# Altium PCB PCB2.PcbDoc (part 3 of 3) (continued)
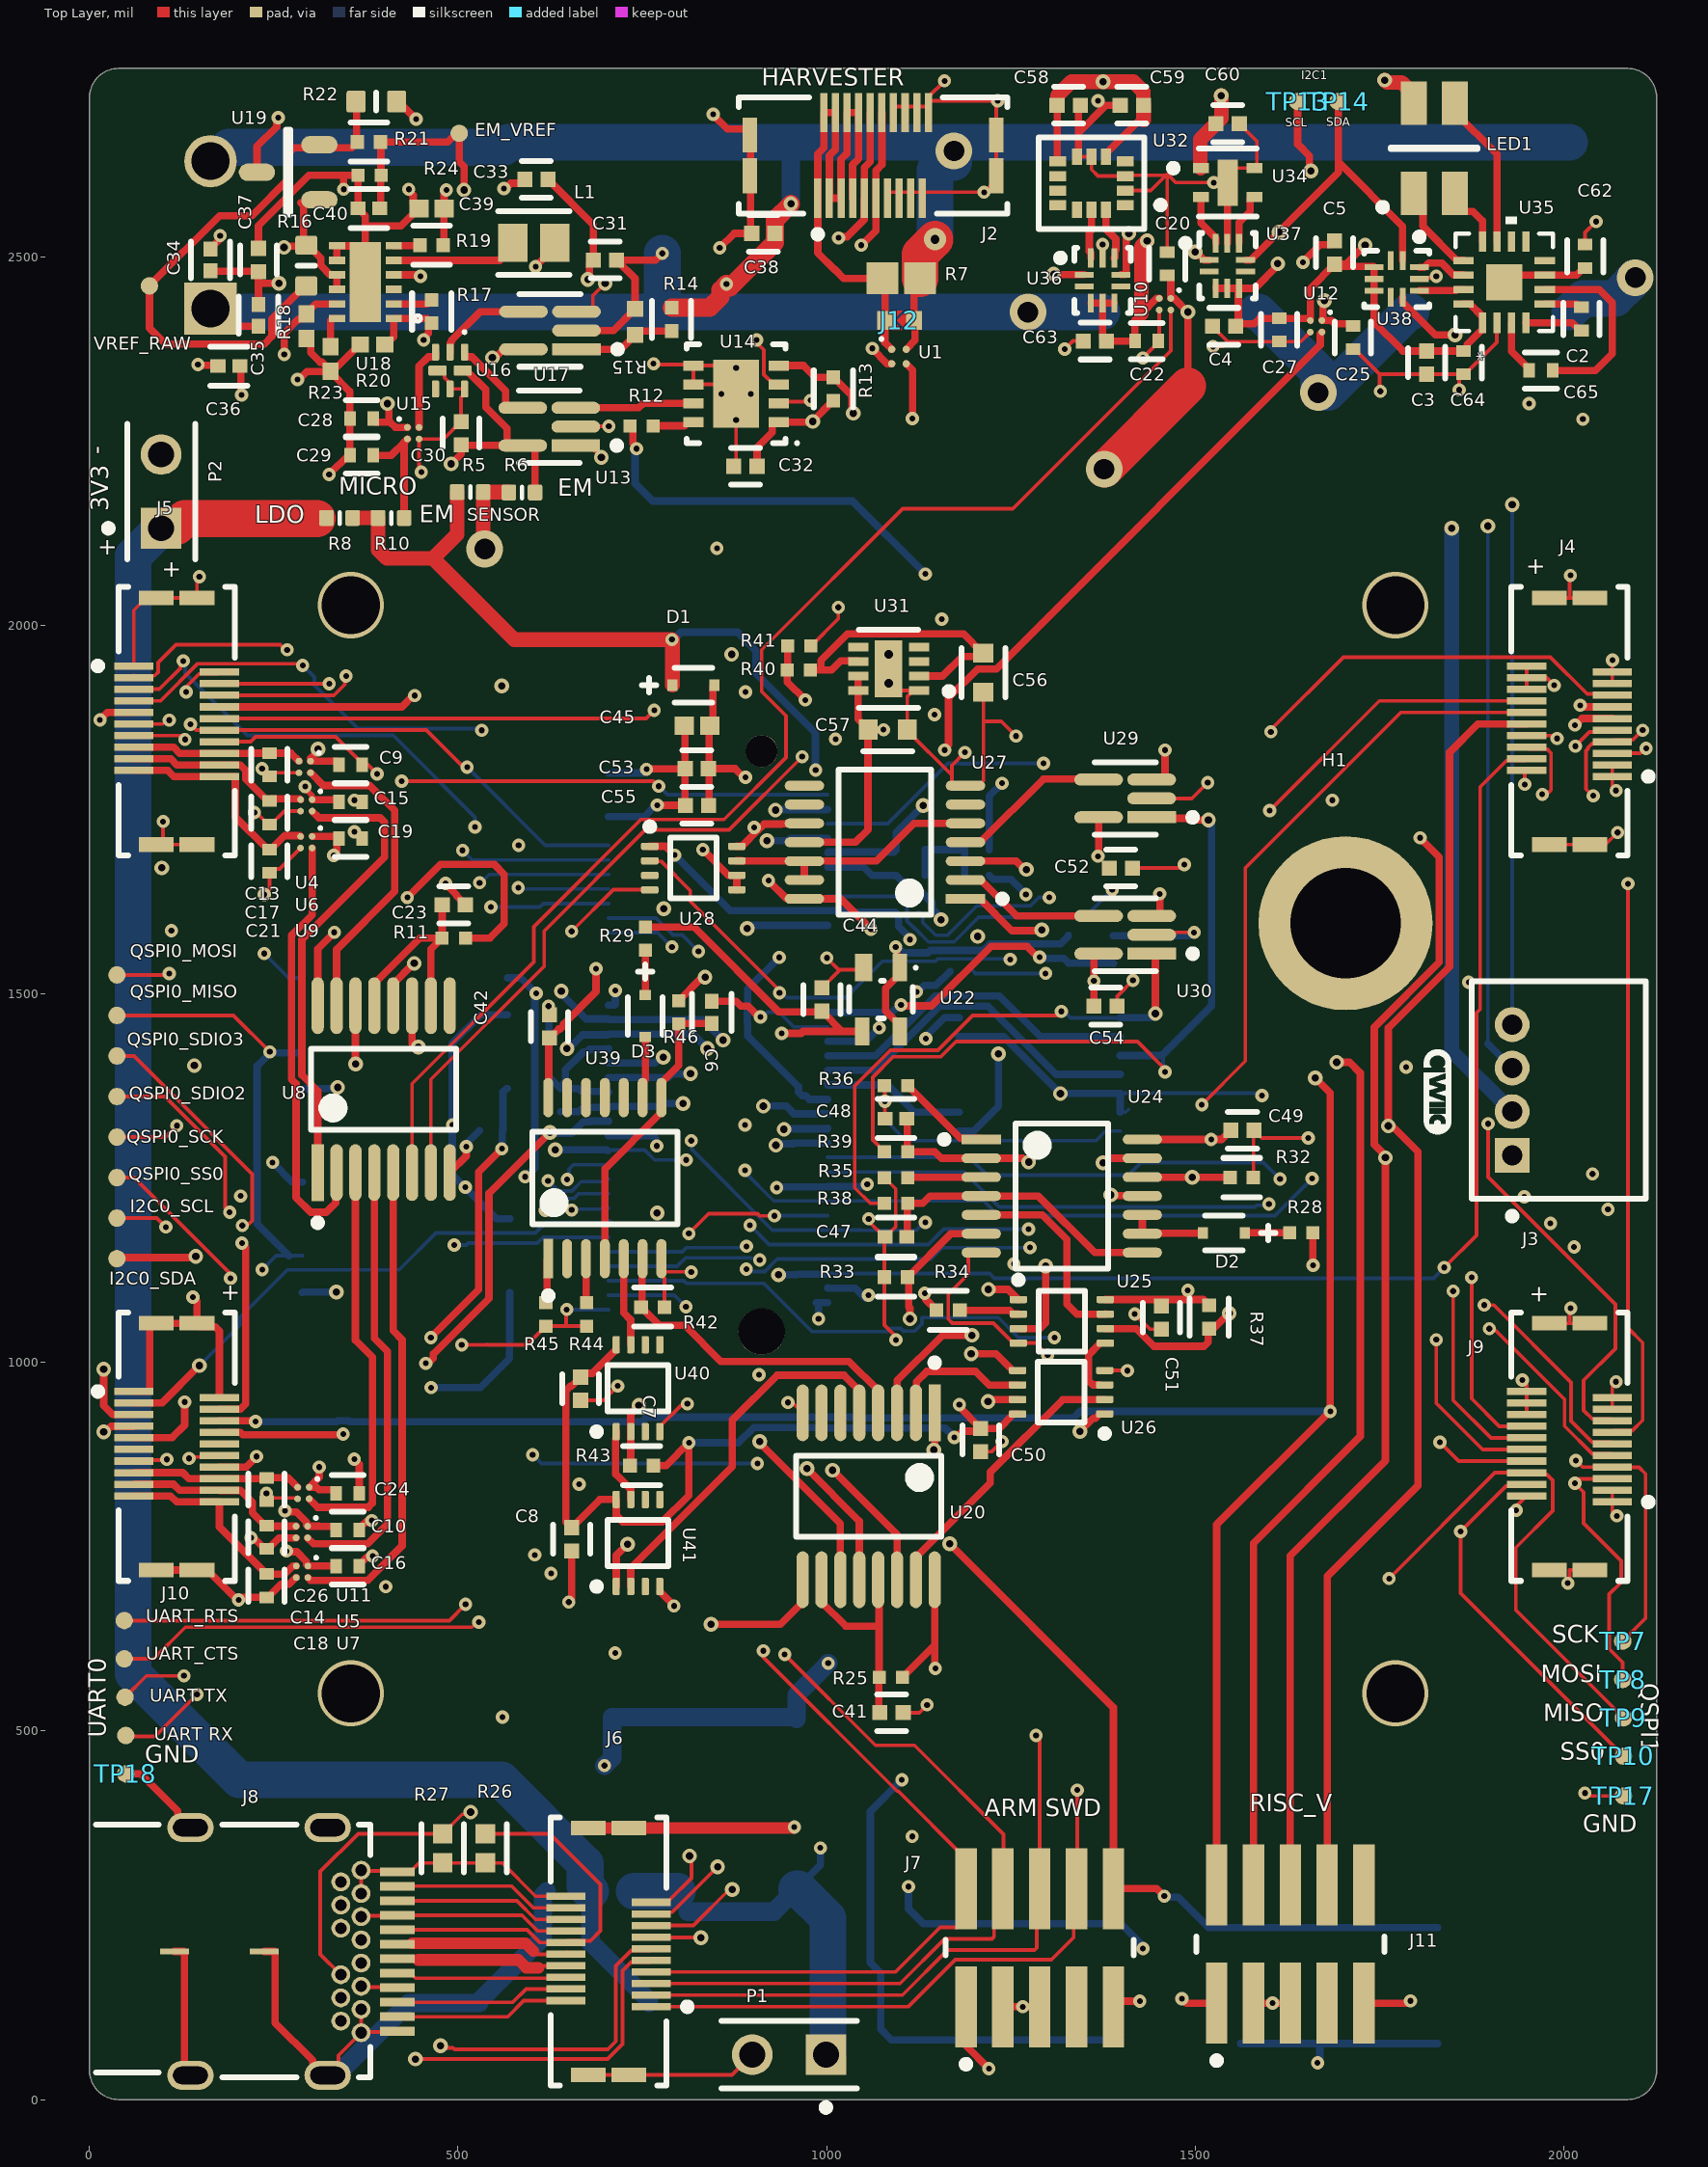
[diagram p0: Top Layer view]
## Nets (pads, with @x,y where several pads share a name; then routed paths per layer and width w, separated by ;. In a path a pad name is that pad's centre, name@x,y a point inside that pad or via, vN(x,y) a via of type N, cw(c..) or ccw(c..) an arc to the next point about the centre after c; other vN are vias at no path point) (continued)
QSPI0_SDIO2: J1.66 J4.8 QSPI0_SDIO2.1 | length 2816.7
  Top Layer w5: QSPI0_SDIO2.1@37.09,1360.94 102.43,1360.94 184.09,1279.28 184.09,1209.94 v1(190.09,1203.94) ; J4.8@1949.8,1850.59 1983.45,1850.59 1988.09,1845.94 1990.16,1845.94 v1(1990.88,1846.66)
  Int1 (GND) w5: v1(190.09,1203.94) 402.62,1203.94 415.69,1190.87 659.94,1190.87 697.51,1228.44 849.59,1228.44 892.09,1185.94 895.76,1185.94 v1(896.06,1186.24) ; v1(1274.09,1180.94) 1282.09,1188.94 v1(1982.09,1188.94)
  Int2 (PWR) w5: v1(1982.09,1188.94) 1990.88,1197.73 v1(1990.88,1846.66)
  Bottom Layer w5: v1(896.06,1186.24) 922.11,1160.19 J1.66@1001.34,1160.19 1137.89,1160.19 1158.64,1180.94 v1(1274.09,1180.94)
QSPI0_SDIO3: J1.68 J4.9 QSPI0_SDIO3.1 | length 2948.5
  Top Layer w5: QSPI0_SDIO3.1@37.09,1415.94 60.16,1415.94 220.59,1255.51 220.59,1192.44 216.09,1187.94 209.16,1187.94 v1(207.21,1186) ; v1(2015.9,1836.18) 2015.9,1836.75 2034.8,1855.65 2063.52,1855.65 J4.9@2065.94,1858.07
  Int1 (GND) w5: v1(207.21,1186) 407.84,1186 411.96,1181.87 663.67,1181.87 701.24,1219.44 793.59,1219.44 888.09,1124.94 889.37,1124.94 v1(891.07,1126.64) ; v1(1276.09,1155.94) 1277.09,1156.94 v1(2014.09,1156.94)
  Int2 (PWR) w5: v1(2014.09,1156.94) 2016.06,1158.91 2015,1159.97 2015,1835.27 v1(2015.9,1836.18)
  Bottom Layer w5: v1(891.07,1126.64) 894.59,1126.64 897.65,1123.58 915.96,1123.58 932.88,1140.5 J1.68@1001.34,1140.5 1141.54,1140.5 1156.98,1155.94 v1(1276.09,1155.94)
QSPI0_SS0: J1.70 J4.4 QSPI0_SS0.1 U33.1 | length 2685.3
  Top Layer w5: QSPI0_SS0.1@37.09,1250.94 60.43,1250.94 188.69,1122.68 188.69,1116.84 v1(191.18,1114.35) ; v1(1838.09,1128.94) 1881.88,1172.73 1881.88,1474.42 1886.59,1479.14 1886.59,1780.83 1922.44,1816.67 1947.38,1816.67 J4.4@1949.8,1819.09
  Int1 (GND) w5: v1(191.18,1114.35) 209.71,1095.82 v2(334.82,1095.82)
  Int1 (GND) w10: v2(334.82,1095.82) 907.97,1095.82 931.11,1118.96 v2(934.67,1118.96)
  Bottom Layer w5: J1.70@1000.44,1119.92 J1.70@1001.34,1120.82 1221.32,1120.82 1227.7,1114.44 1823.59,1114.44 v1(1838.09,1128.94)
  Bottom Layer w10: U33.1@288.61,1094.9 289.53,1095.82 v2(334.82,1095.82) ; v2(934.67,1118.96) 959.67,1118.96 960.63,1119.92 J1.70@1000.44,1119.92
QSPI1_MISO: J1.61 J9.6 TP9.1 | length 2384.9
  Top Layer w5: v1(1763.15,706.92) 1906.82,850.59 J9.6@1949.8,850.59 1952.22,848.17 1977.16,848.17 1985.09,840.24 1985.09,798.94 1935.09,748.94 1935.09,663.94 TP9.1@2081.09,517.94
  Int1 (GND) w5: v1(626.09,713.82) 629.61,713.82 636.11,707.32 1762.75,707.32 v1(1763.15,706.92)
  Int2 (PWR) w5: v1(626.09,713.82) 626.09,1178.94 v1(654.09,1206.94)
  Bottom Layer w5: v1(654.09,1206.94) 655.32,1208.17 702.86,1208.17 J1.61@704.09,1209.4
QSPI1_MOSI: J1.59 J9.5 TP8.1 | length 2394.1
  Top Layer w5: J9.5@2065.94,842.32 2021.29,842.32 v1(2015.13,836.17) 2027.09,824.2 2027.09,781.94 2078.02,731.02 2078.02,701.87 2061.78,685.63 2061.78,611.41 2080.09,593.1 TP8.1@2080.09,569.94
  Int1 (GND) w5: v1(604.09,738.94) 708.4,738.94 719.23,728.11 1907.08,728.11 v1(2015.13,836.17)
  Int2 (PWR) w5: v1(604.09,738.94) 616.59,751.44 616.59,887.45 610.09,893.95 610.09,1198.19 v1(618.28,1206.37)
  Bottom Layer w5: v1(618.28,1206.37) 634.35,1222.44 656.88,1222.44 663.53,1229.09 J1.59@704.09,1229.09
QSPI1_SCK: J1.57 J9.7 TP7.1 | length 2246.7
  Top Layer w5: v1(2016.68,867.12) 2025.73,858.07 J9.7@2065.94,858.07 2066.07,857.94 2102.09,857.94 2111.09,848.94 2111.09,652.94 TP7.1@2080.09,621.94
  Int1 (GND) w5: v1(906.09,862.94) 909.61,862.94 919.34,872.67 1130.79,872.67 1138.66,864.81 2014.36,864.81 v1(2016.68,867.12)
  Int2 (PWR) w5: v1(601.09,874.94) 601.09,1228.01 619.72,1246.63 v1(622.03,1246.63)
  Bottom Layer w5: v1(601.09,874.94) 613.09,862.94 v1(906.09,862.94) ; v1(622.03,1246.63) 635.86,1232.8 654.51,1232.8 667.08,1245.37 700.69,1245.37 J1.57@704.09,1248.77
QSPI1_SS0: J1.55 J9.4 TP10.1 | length 2281.8
  Top Layer w5: J9.4@1949.8,834.84 1947.38,832.42 1921.57,832.42 v1(1860.09,770.94) 1860.09,686.94 TP10.1@2081.09,465.94
  Int1 (GND) w5: v1(664.09,834.94) 664.09,795.98 722.96,737.11 1126.93,737.11 1160.76,770.94 v1(1860.09,770.94)
  Int2 (PWR) w5: v1(648.09,1248.3) 650.58,1245.82 650.58,1232.38 669.59,1213.37 669.59,843.96 664.09,838.46 v1(664.09,834.94)
  Bottom Layer w5: v1(648.09,1248.3) 650.58,1250.79 650.58,1262.43 656.61,1268.46 J1.55@704.09,1268.46
RCLK: J1.35 U8.12 U20.12 | length 1344.6
  Top Layer w10: U8.12@411.89,1484.15 411.89,1513.72 439.79,1541.61 v2(440.42,1541.61) ; v2(973.19,856.17) 1044.29,785.07 U20.12@1044.29,705.32
  Int1 (GND) w10: v2(440.42,1541.61) 602.42,1541.61 v2(640.09,1503.94)
  Int2 (PWR) w10: v2(859.33,1437.47) 857.42,1435.56 857.42,1428.48 857.28,1428.35 857.28,972.08 v2(973.19,856.17)
  Bottom Layer w10: v2(640.09,1503.94) 642.01,1502.03 642.01,1497.94 673.73,1466.22 703.19,1466.22 J1.35@704.09,1465.31 831.49,1465.31 v2(859.33,1437.47)
RESET: J1.6 J7.10 SW2.B SW2.B' | length 2186.4
  Top Layer w10: v2(1167.09,753.94) 1389.09,531.94 J7.10@1389.09,286.18 1447.86,286.18 v1(1458.09,275.94)
  Int2 (PWR) w10: v2(930.59,1749.52) 971.09,1709.02 971.09,949.94 v2(1167.09,753.94)
  Bottom Layer w10: v2(930.59,1749.52) 931.2,1750.13 1000.73,1750.13 J1.6@1001.34,1750.74 ; v1(1458.09,275.94) 1459.63,274.41 1477.08,274.41 1518.07,233.43 SW2.B@1561.38,233.43 SW2.B'@1829.09,233.43
RV_TCK: J1.41 J10.7 J11.4 | length 3465.2
  Top Layer w10: v2(19.09,905.94) 21.8,905.94 29.36,913.5 J10.7@60.04,913.58 J10.7@60.04,913.58 ; J11.4@1579.09,291.06 1579.09,754.94 1724.09,899.94 1724.09,1392.94 1709.6,1407.44 v2(1692.09,1407.44)
  Int1 (GND) w10: v2(142.09,1402.94) 333.78,1402.94 350.78,1385.94 749.85,1385.94 v2(778.23,1414.32) 823.03,1414.32 839.41,1397.94 967.47,1397.94 970.08,1400.55 1098.15,1400.55 1112.76,1385.94 1246.76,1385.94 1273.26,1412.44 1684.39,1412.44 1689.39,1407.44 v2(1692.09,1407.44)
  Int2 (PWR) w10: v2(19.09,905.94) 79.05,965.9 79.05,1339.9 v2(142.09,1402.94)
  Bottom Layer w10: J1.41@704.09,1406.25 767.46,1406.25 775.52,1414.32 v2(778.23,1414.32)
RV_TMS: J1.43 J10.6 J11.2 | length 3666.1
  Top Layer w10: J10.6@176.18,921.06 223.89,921.06 v1(225.09,919.87) ; J11.2@1529.09,291.06 1529.09,779.96 1683.36,934.23 1683.36,1365.68 v2(1663.09,1385.94)
  Int1 (GND) w10: v2(815.28,1392.01) 817.99,1392.01 826.05,1383.94 973.27,1383.94 975.88,1386.55 1092.35,1386.55 1106.96,1371.94 1252.56,1371.94 1264.56,1383.94 1391.94,1383.94 1399.44,1376.44 1541.89,1376.44 1551.39,1385.94 v2(1663.09,1385.94)
  Bottom Layer w10: v1(225.09,919.87) 335.56,919.87 336.64,920.94 351.55,920.94 352.63,919.87 749.95,919.87 756.03,925.94 1045.09,925.94 1046.09,924.94 1335.15,924.94 1343.99,933.78 v1(1683.36,933.78) ; J1.43@704.09,1386.57 785.28,1386.57 790.28,1391.58 814.85,1391.58 v2(815.28,1392.01)
SENSOR_VCC: C9.2 C10.1 C15.1 C16.1 C19.1 C20.1 C24.1 C25.1 J3.2 R5.2 R6.2 U4.A1 U5.A1 U6.A1 U7.A1 U9.A1 U10.A1 U11.A1 U12.A1 | length 4500
  Top Layer w8: v1(292.39,1781.4) 292.39,1778.7 301.77,1769.32 301.77,1764.02 U6.A1@301.97,1763.82
  Top Layer w10: v1(265.09,798.94) 266.63,797.41 280.42,797.41 294.09,783.74 294.09,779.69 U5.A1@295.84,777.94 311.32,777.94 311.47,777.79 331.47,777.79 334.35,774.91 C10.1@334.35,772.94 ; v1(267.09,744.2) 267.88,743.41 280.85,743.41 294.44,729.82 294.44,725.77 U7.A1@296.18,724.03 333.77,724.03 C16.1@334.35,723.44 ; U9.A1@301.97,1713.82 335.47,1713.82 C19.1@338.35,1710.94 335.47,1708.07 v1@335.47,1694.49 ; U6.A1@301.97,1763.82 335.47,1763.82 C15.1@338.35,1760.94 ; v2(310.09,1832.44) 310.09,1830.24 299.84,1819.99 U4.A1@299.84,1815.94 315.32,1815.94 315.47,1815.79 335.47,1815.79 338.35,1812.91 C9.2@338.35,1810.94 ; v1(311.6,858.16) 311.6,844.45 U11.A1@297.97,830.82 307.94,830.82 311.47,827.29 331.47,827.29 334.35,824.41 C24.1@334.35,822.44 ; R6.2@568.77,2180.76 R6.2@568.95,2180.58 ; v3(1376.5,2212.12) v3@1377.27,2212.12 ; C20.1@1462.09,2475.31 1464.06,2475.31 1466.93,2472.44 1466.93,2452.44 1466.97,2452.4 U10.A1@1466.97,2443.82 1471.55,2443.82 v2(1490.05,2425.32) 1490.05,2324.9 ; v2(1675.22,2440.94) 1673.31,2439.03 1673.31,2416.33 1671.97,2414.99 U12.A1@1671.97,2413.82 1685,2413.82 1689.25,2409.57 1711.22,2409.57 C25.1@1714.09,2406.69
  Top Layer w20: v3(536.09,2103.94) 534.09,2105.94 R5.2@534.09,2180.94 568.59,2180.94 R6.2@568.77,2180.76
  Top Layer w50: v3@1377.27,2212.12 1490.05,2324.9
  Int1 (GND) w20: v2@1489.3,2424.56 v2(1490.05,2425.32)
  Int1 (GND) w50: v3(536.09,2103.94) 686.09,2103.94 794.09,2211.94 v3@1375.09,2211.94
  Int2 (PWR) w10: v1(265.09,798.94) 310.07,843.92 310.07,856.63 v1(311.6,858.16)
  Int2 (PWR) w20: v2(1675.22,2440.94) 1848.09,2268.07 v2(1848.09,2131.94)
  Int2 (PWR) w50: v1(311.6,858.16) 294.09,875.66 294.09,1650.94 ; v1(331.09,1687.94) 294.09,1650.94 ; v3(536.09,2103.94) 536.09,2058.44 v2(310.09,1832.44) 294.09,1816.44 294.09,1650.94
  Bottom Layer w20: v2(1848.09,2131.94) 1848.09,1422.43 J3.2@1930.1,1340.42
SHIFT_DATA: J1.22 U20.14 | length 1096.1
  Top Layer w10: v2(1008.09,853.94) 1095.47,766.57 U20.14@1095.47,705.32
  Int2 (PWR) w10: v2(892.09,1588.94) 892.09,1443.36 871.28,1422.55 871.28,990.76 v2(1008.09,853.94)
  Bottom Layer w10: v2(892.09,1588.94) 894.8,1588.94 899.12,1593.26 J1.22@1001.34,1593.26
SQWOUT: J1.4 J5.13 J10.13 | length 2045.6
  Top Layer w5: J10.13@60.04,866.34 61.17,867.46 103.72,867.46 v1(104.84,868.59) ; J5.13@60.04,1850.59 124.34,1850.59 v1(129.51,1845.42) ; v1(423.55,1788.7) 765.34,1788.7 v1(772.09,1781.94)
  Int1 (GND) w5: v1(129.51,1845.42) 222.97,1845.42 226.99,1849.44 363.59,1849.44 424.09,1788.94 423.8,1788.94 v1(423.55,1788.7)
  Int2 (PWR) w5: v1(104.84,868.59) 105.49,867.94 110.09,867.94 165.59,923.44 165.59,1402.78 129.51,1438.86 v1(129.51,1845.42)
  Bottom Layer w5: v1(772.09,1781.94) 772.41,1781.94 783.92,1770.43 J1.4@1001.34,1770.43
SRCLK: J1.37 U8.11 U20.11 | length 1266.8
  Top Layer w10: U8.11@437.48,1484.15 437.48,1432.56 442.09,1427.94 v2(446.09,1427.94) ; v2(909.09,892.94) 909.09,890.94 1018.7,781.34 U20.11@1018.7,705.32
  Int1 (GND) w10: v2(446.09,1427.94) 617.74,1427.94 619.77,1425.92 v2(647.74,1425.92)
  Int2 (PWR) w10: v2(838.28,1425.94) 840.19,1424.03 840.19,1411.02 843.28,1407.93 843.28,958.76 v2(909.09,892.94)
  Bottom Layer w10: v2(647.74,1425.92) 650.07,1425.92 668.87,1444.72 703.19,1444.72 J1.37@704.09,1445.62 818.6,1445.62 v2(838.28,1425.94)
SWDCLK: J1.21 J6.5 J7.4 | length 2183.2
  Top Layer w5: J6.5@762.17,157.44 1099.59,157.44 1160.02,217.87 1224.17,217.87 1227.09,220.8 1227.09,274.18 1240.09,287.18 1240.09,359.94 1119.34,480.7 1066.34,480.7 v1(943.09,603.94)
  Int2 (PWR) w5: v1(826.09,1557.94) 826.09,1539.02 818.59,1531.52 818.59,1416.36 831.78,1403.17 831.78,715.26 v1(943.09,603.94)
  Bottom Layer w5: J1.21@704.09,1603.1 768.6,1603.1 791.68,1580.02 804.01,1580.02 v1(826.09,1557.94)
SWDIO: J1.23 J6.7 J7.2 | length 2040.4
  Top Layer w5: J6.7@762.17,173.19 1093.34,173.19 1153.91,233.76 1177.03,233.76 1189.09,245.83 J7.2@1189.09,286.18 1189.09,326.54 1097.18,418.44 1095.67,418.44 914.09,600.02 v1(914.09,608.94)
  Int2 (PWR) w5: v1(790.09,1563.94) 794.73,1559.31 794.73,1407.49 788.67,1401.42 788.67,734.37 v1(914.09,608.94)
  Bottom Layer w5: J1.23@704.09,1583.42 770.61,1583.42 v1(790.09,1563.94)
TEMP_SCL: U34.2 U37.1 | length 71
  Top Layer w10: U34.2@1507.68,2581.26 1507.68,2545.87 1528.05,2525.5 U37.1@1528.05,2518.68
TEMP_SDA: U34.3 U37.9 | length 73.6
  Top Layer w10: U37.9@1559.54,2518.68 1559.54,2546.57 1574.69,2561.71 1574.69,2579.37 1576.57,2581.26 U34.3@1580.51,2581.26
TMR3A_IOB: J1.47 J9.15 R31.1 U23.5 U23.6 U23.13 | length 2033.1
  Top Layer w5: v1(1897.38,1323.97) 1897.38,1251.74 2070.09,1079.02 2070.09,1018.94 2027.09,975.94 2027.09,934.97 2038.58,923.48 2063.52,923.48 J9.15@2065.94,921.06
  Int1 (GND) w5: v1(1590.57,1362.2) 1615.32,1337.44 1750.26,1337.44 1891.66,1337.45 1894.89,1334.21 1894.89,1326.46 v1(1897.38,1323.97)
  Int1 (GND) w10: v2(805.17,1351.53) 891.06,1351.53 906.35,1366.82 994.46,1366.82 1000.19,1372.55 1086.55,1372.55 1101.16,1357.94 1258.36,1357.94 1265.36,1364.94 v2(1317.11,1364.94)
  Bottom Layer w5: U23.6@1398.36,1339.76 1405.75,1339.76 U23.6@1409.64,1343.65 ; U23.5@1398.36,1365.35 1583.89,1365.35 1587.05,1362.2 v1(1590.57,1362.2)
  Bottom Layer w10: R31.1@639.09,1340.11 663.4,1340.11 669.58,1346.3 703.19,1346.3 J1.47@704.09,1347.2 704.23,1347.34 775.17,1347.34 779.35,1351.53 v2(805.17,1351.53) ; U23.13@1179.83,1442.13 1239.93,1442.13 v2(1317.11,1364.94) ; v2@1317.11,1365.35 1375.36,1365.35 U23.5@1398.36,1365.35 U23.6@1398.36,1339.76
UART0_CTS: J1.15 J5.5 UART_CTS.1 | length 2356
  Top Layer w5: UART_CTS.1@47.09,597.94 87.09,597.94 130.09,640.94 518.67,640.94 525.67,647.94 v1(528.09,647.94) ; J5.5@60.04,1913.58 94.73,1913.58 123.09,1941.94 123.09,1944.43 127.09,1948.43 v1(127.09,1951.94)
  Int2 (PWR) w5: v1(522.76,1726.79) 522.76,1661.8 529.09,1655.46 529.09,1281.94 528.09,1280.94 528.09,1070.56 529.35,1069.3 529.35,649.2 v1(528.09,647.94)
  Bottom Layer w5: v1(127.09,1951.94) 129.58,1949.46 129.58,1935.53 214.17,1850.94 412.09,1850.94 523.09,1739.94 523.09,1727.12 v1(522.76,1726.79) ; v1(529.09,1650.94) 530.99,1650.94 542.21,1662.16 J1.15@704.09,1662.16
UART0_RTS: J1.13 J5.4 UART_RTS.1 | length 2170.5
  Top Layer w5: UART_RTS.1@47.09,649.94 488.09,649.94 v1(510.09,671.94) ; J5.4@176.18,1921.06 v1@324.98,1921.06
  Top Layer w10: v1@324.98,1921.06 v1(325.09,1920.94)
  Int1 (GND) w5: v1(325.09,1920.94) 506.09,1739.94 v1(506.09,1694.94)
  Int2 (PWR) w5: v1(506.09,1694.94) 507.83,1693.21 507.83,1315.81 494.44,1302.42 494.44,1182.51 512.09,1164.86 512.09,1038.94 520.35,1030.68 520.35,818.38 509.09,807.13 509.09,672.94 v1(510.09,671.94)
  Bottom Layer w5: v1(506.09,1694.94) 519.19,1681.84 J1.13@704.09,1681.84
UART0_RX: "UART RX.1" J1.19 J5.7 J6.1 J7.8 | length 4303.6
  Top Layer w5: 47.34,492.94 88.89,492.94 v1(145.67,549.72) ; J5.7@60.04,1897.83 96.52,1897.83 146.91,1948.23 286.81,1948.23 v1(289.09,1945.94) ; v1(560.09,518.94) v1@561.09,518.94 ; J6.1@762.17,125.94 1110.41,125.94 1174.41,189.94 1305.09,189.94 1335.09,219.94 1335.09,282.18 1340.09,287.18 v1(1340.09,419.94)
  Int1 (GND) w5: v1(145.67,549.72) 213.89,617.94 461.09,617.94 v1(560.09,518.94) 601.09,477.94 1301.09,477.94 1340.09,438.94 v1(1340.09,419.94)
  Int2 (PWR) w5: v1(532,1857.85) 532.09,1857.75 532.09,1745.94 544.59,1733.44 544.59,1624.96 541.09,1621.46 v1@541.09,1617.94 ; v1(544.59,1617.94) 543.59,1616.95 543.59,1075.44 560.09,1058.95 v1(560.09,518.94)
  Bottom Layer w5: v1(289.09,1945.94) 305.13,1929.91 305.13,1918.99 364.17,1859.94 529.9,1859.94 v1(532,1857.85) ; v1(544.59,1617.94) 610.87,1617.94 615.72,1622.79 J1.19@704.09,1622.79
UART0_TX: "UART TX.1" J1.17 J5.6 J6.3 J7.6 | length 3977.1
  Top Layer w5: 48.09,545.94 77.09,574.94 v1(128.09,574.94) ; J5.6@176.18,1905.32 321.83,1905.32 321.96,1905.44 331.51,1905.44 346.1,1920.03 346.1,1929.58 v1(347.99,1931.47) ; v1@711.84,604.69 v1(713.09,605.94) ; J6.3@762.17,141.69 1102.84,141.69 1164.09,202.94 1282.17,202.94 1285.09,205.87 1285.09,282.18 J7.6@1289.09,286.18 1289.09,488.94 v1(1284.09,493.94)
  Int1 (GND) w5: v1@128.09,573.21 186.83,631.94 583.88,631.94 609.88,605.94 v1(713.09,605.94) 825.09,493.94 v1(1284.09,493.94) ; v1(347.99,1931.47) 351.51,1931.47 355.88,1927.09 356.95,1927.09 v1(582.09,1701.94)
  Int2 (PWR) w5: v1(582.09,1701.94) 581.84,1701.69 581.84,1644.35 v1(581.59,1644.09) 581.59,1468.74 647.09,1403.23 647.09,1310.94 679.59,1278.44 679.59,639.44 v1(713.09,605.94)
  Bottom Layer w5: v1(581.59,1644.09) 574.95,1644.09 576.56,1642.47 J1.17@704.09,1642.47
USB_VCC: C11.1 J6.14 J8.A4 J8.A9 J8.B4 J8.B9 P1.1 U3.1 U3.2 | length 874.4
  Top Layer w5: J8.B4@368.35,153.7 369.33,152.72 416.57,152.72 J8.A9@417.56,151.73 ; J8.B9@368.35,248.19 369.33,249.17 416.57,249.17 J8.A4@417.56,250.16 586.67,250.16 608.13,228.7 J6.14@646.02,228.7
  Top Layer w10: v1@989.09,343.93 v1(991.58,341.44)
  Bottom Layer w10: C11.1@959.09,285.79 991.58,318.27 v1(991.58,341.44)
  Bottom Layer w25: U3.1@811.75,254.98 928.29,254.98 C11.1@959.09,285.79
  Bottom Layer w50: U3.2@738.62,282.83 U3.1@797.68,282.83 ; C11.1@959.09,285.79 962.05,285.79 1001.65,246.18 1001.65,63.5 P1.1@999.09,60.94
VCC_1: C13.1 J5.15 J5.16 U4.B1 | length 232
  Top Layer w10: J5.15@60.04,1834.84 114.2,1834.84 122.46,1826.57 218.41,1826.57 218.52,1826.69 C13.1@244.09,1826.69 273.35,1826.69 U4.B1@284.09,1815.94
VCC_2: C17.2 J5.17 J5.18 U6.B1 | length 258.6
  Top Layer w10: J5.17@60.04,1819.09 110.15,1819.09 118.41,1810.83 J5.18@176.18,1810.83 176.26,1810.75 204.74,1810.75 211.92,1803.57 211.92,1791.9 242.13,1761.69 C17.2@244.09,1761.69 246.97,1764.57 253.72,1764.57 254.09,1764.94 285.09,1764.94 U6.B1@286.22,1763.82
VCC_3: C21.2 J5.19 J5.20 U9.B1 | length 311
  Top Layer w10: J5.19@60.04,1803.35 106.1,1803.35 114.36,1795.08 J5.20@176.18,1795.08 197.68,1795.08 197.76,1795 197.76,1740.32 242.13,1695.94 C21.2@244.09,1695.94 246.06,1695.94 265.06,1714.94 285.09,1714.94 U9.B1@286.22,1713.82
VCC_4: C26.2 J10.15 J10.16 U11.B1 | length 231.4
  Top Layer w10: J10.15@60.04,850.59 126.42,850.59 134.61,842.4 176.1,842.4 J10.16@176.18,842.32 ; J10.16@176.26,842.4 238.8,842.4 C26.2@240.09,843.69 269.35,843.69 U11.B1@282.22,830.82
VCC_5: C14.2 J10.17 J10.18 U5.B1 | length 252.1
  Top Layer w10: J10.17@60.04,834.84 114.02,834.84 122.28,826.57 J10.18@176.18,826.57 176.26,826.5 204.74,826.5 220.87,810.36 220.87,795.95 238.13,778.69 C14.2@240.09,778.69 240.84,777.94 U5.B1@280.09,777.94
VCC_6: C18.2 J10.19 J10.20 U7.B1 | length 290
  Top Layer w10: J10.19@60.04,819.09 109.96,819.09 118.23,810.83 J10.20@176.18,810.83 176.18,776.86 235.25,717.79 235.25,715.82 238.13,712.94 264.94,712.94 276.02,724.03 U7.B1@280.44,724.03
VCC_7: C22.2 C58.2 C59.1 C63.1 U10.B1 U32.5 U32.8 U36.4 U36.5 U36.6 | length 648.7
  Top Layer w10: C58.2@1313.12,2705.42 1313.12,2630.07 U32.8@1313.64,2629.55 ; U36.4@1358.65,2437.46 U36.5@1374.39,2437.46 ; U32.5@1379.09,2635.94 1379.09,2640.37 1424.61,2685.89 1424.61,2700.71 C59.1@1429.84,2705.94 ; U36.6@1390.14,2437.46 U36.5@1374.39,2437.46 ; U10.B1@1451.22,2443.82 1447.84,2443.82 1427.09,2423.08 1418.35,2414.33 C22.2@1418.35,2385.94 C63.1@1379.84,2385.94 1374.39,2391.39 U36.5@1374.39,2437.46
  Top Layer w20: C58.2@1313.12,2705.42 1313.12,2718.97 1332.09,2737.94 v2(1375.09,2737.94) 1416.09,2737.94 1429.61,2724.43 1429.61,2706.18 C59.1@1429.84,2705.94 1429.84,2685.89 ; 1427.09,2423.08 1427.09,2514.16 v2(1434.97,2522.04)
VCC_8: C3.1 C4.1 C5.1 C27.2 C60.1 C64.2 LED1.1 U12.B1 U34.1 U35.1 U35.16 U37.4 U37.5 U37.6 U38.4 U38.5 U38.6 | length 933.2
  Top Layer w10: U34.1@1503.74,2620.63 U34.1@1507.68,2620.63 ; U37.4@1528.05,2460.63 U37.4@1528.05,2457.46 U37.5@1543.8,2457.46 U37.6@1559.54,2457.46 ; C4.1@1554.84,2405.94 C4.1@1558.25,2409.35 ; v2(1612.09,2490.94) 1612.09,2488.24 1581.32,2457.46 U37.6@1559.54,2457.46 ; v2(1730.55,2515.98) 1704.76,2490.2 C5.1@1689.09,2490.2 ; U35.16@1864.09,2436.26 1872.84,2436.26 1889.63,2419.47 1889.72,2419.38 U35.1@1889.72,2410.63 1889.72,2401.88 1868.94,2381.09 1868.94,2375.31 1866.06,2372.44 C64.2@1864.09,2372.44 C3.1@1814.09,2372.44 1781.73,2372.44 1742.88,2411.29 U38.6@1742.88,2454.45 U38.5@1742.88,2470.2 U38.4@1742.88,2485.94 1741.82,2487.01 1692.28,2487.01 C5.1@1689.09,2490.2 ; C4.1@1558.25,2409.35 1580.08,2409.35 1587.42,2416.69 C27.2@1614.09,2416.69 1653.35,2416.69 U12.B1@1656.22,2413.82 1656.22,2457.32 C5.1@1689.09,2490.2 ; C4.1@1558.25,2409.35 1558.48,2409.58 1558.48,2456.4 U37.6@1559.54,2457.46
  Top Layer w20: U34.1@1507.68,2620.63 1506.85,2621.46 1506.85,2659.45 C60.1@1528.35,2680.94 1535.61,2688.2 1535.61,2718.41 v2(1535.17,2718.85) ; v2(1757.09,2739.94) 1760.28,2736.76 1780.11,2736.76 1796.46,2720.41 LED1.1@1796.46,2708.6
VCHARGE: C44.1 R28.1 R29.1 U22.3 | length 1690.8
  Top Layer w10: R29.1@754.09,1590.94 820.09,1590.94 935.09,1475.94 992.79,1475.94 C44.1@993.61,1476.77 1021.17,1449.21 ; v1(938.86,1446.73) 965.37,1446.73 967.86,1449.21 1021.17,1449.21 ; U22.3@1048.02,1449.21 1021.17,1449.21 ; R28.1@1659.84,1175.94 1659.88,1175.9 v1(1659.92,1131.94) v1(1659.92,1131.94)
  Int1 (GND) w10: v1(938.86,1446.73) 941.02,1446.73 953.8,1433.94 1084.55,1433.94 1118.56,1399.94 1240.96,1399.94 1267.46,1426.44 1759.6,1426.44 1785.09,1400.94 v1(1786.09,1400.94)
  Int2 (PWR) w10: v1(1659.92,1131.94) 1660.16,1132.18 1661.33,1132.18 1786.09,1256.94 v1(1786.09,1400.94)
VINT: C52.2 C54.2 C57.1 U27.11 U29.5 U30.5 U31.7 U31.8 | length 990.8
  Top Layer w10: U27.11@969.83,1705.94 1039.09,1705.94 1056.18,1723.03 C57.1@1056.18,1858.6 C57.1@1056.18,1859.59 ; U31.7@1042.76,1931.42 U31.8@1042.76,1911.73 1042.76,1873.01 C57.1@1056.18,1859.59 ; v1(1077.22,1858.6) 1057.17,1858.6 C57.1@1056.18,1859.59 ; C54.2@1362.67,1483.7 v1(1362.67,1517.76) 1362.67,1551.82 1365.62,1554.76 U30.5@1369.09,1554.76 ; v1@1369.09,1686.94 U29.5@1369.09,1739.76
  Int1 (GND) w10: v1(1077.22,1858.6) 1196.44,1858.6 v1(1368.09,1686.94) 1362.67,1681.52 v1(1362.67,1517.76)
VREF: R40.1 R41.1 U29.3 U30.3 | length 894.5
  Top Layer w10: R41.1@947.29,1972.12 946.99,1971.83 946.99,1939.79 R40.1@946.7,1939.5 946.7,1923.34 v1(971.09,1898.94) ; U30.3@1441.03,1605.94 1449.15,1605.94 1452.09,1608.89 v1(1452.09,1635.94) ; U29.3@1441.03,1790.94 1456.15,1790.94 1459.09,1793.89 v1(1459.09,1830.94)
  Int1 (GND) w10: v1(971.09,1898.94) 1393.09,1898.94 1459.09,1832.94 v1(1459.09,1830.94)
  Int2 (PWR) w10: v1(1452.09,1635.94) 1459.09,1642.94 v1(1459.09,1830.94)
pads on no net: H1.1 J1.3 J1.5 J1.9 J1.16 J1.A1 J1.A2 J1.MH1 J1.MH2 J7.7 J8.B6 J8.B7 J11.7 J11.10 U8.9 U16.5 U18.3 U20.6 U20.7 U23.10 U23.11 U23.12 U27.6 U27.8 U27.9 U28.3 U31.3 U31.4 U31.5 U32.1 U32.4 U32.9 U32.10 U32.11 U32.12 U33.3 U33.7 U35.8 U35.9 U35.10 U36.3 U36.7 U37.3 U37.7 U38.3 U38.7 U39.2 U39.10 U39.11 U39.12 U39.13 U40.3 U40.5 U40.6 U41.3 U41.5 U41.6 U42.3 U42.7
copper on no net:
  other v4: 354.33,551.18 1771.65,551.18 354.33,2027.56 1771.65,2027.56

## Polygon pours and split planes (outlines as drawn)
USB_VCC on Int2 (PWR) "USB_VCC_L03_P000" (solid, pour order 0): 0.09,38.94 39.09,-0.06 1063.09,-0.06 1063.09,393.94 0.09,393.94
MICRO_VCC on Int2 (PWR) "MICRO_VCC_L03_P015" (solid, pour order 15): 0,0 0,2755.91 2125.98,2755.91 2125.98,0
CHRT_VIN on Int2 (PWR) "CHRT_VIN_L03_P014" (solid, pour order 14): 589.09,1935.94 1578.09,1935.94 1578.09,840.94 589.09,840.94
EH_VIN on Int2 (PWR) "EH_VIN_L03_P002" (solid, pour order 2): 0.09,2715.94 40.09,2755.94 1249.09,2755.94 1249.09,2294.94 0.09,2294.94
VCC_8 on Int2 (PWR) "VCC_8_L03_P008" (solid, pour order 8): 2086.09,2755.94 2126.09,2715.94 2126.09,2461.94 1489.09,2461.94 1489.09,2755.94
SENSOR_VCC on Int2 (PWR) "SENSOR_VCC_L03_P006" (solid, pour order 6): 1251.09,2294.94 2125.98,2294.94 2125.98,2456.94 1250.85,2456.94
SENSOR_VCC on Int2 (PWR) "SENSOR_VCC_L03_P011" (solid, pour order 11): 384.09,1845.94 274.09,1845.94 274.09,1660.94 384.09,1660.94
VCC_7 on Int2 (PWR) "VCC_7_L03_P007" (solid, pour order 7): 1254.09,2460.94 1254.09,2755.94 1484.09,2755.94 1484.09,2461.94
1V8 on Int2 (PWR) "1V8_L03_P012" (solid, pour order 12): 2126.09,47.94 2078.09,-0.06 1069.09,-0.06 1069.09,393.94 2126.09,393.94
SENSOR_VCC on Int2 (PWR) "SENSOR_VCC_L03_P013" (solid, pour order 13): 264.09,870.94 264.09,665.94 379.09,665.94 380.09,666.94 380.09,870.94
GND on Int1 (GND) "GND_L02_P017" (solid, pour order 17): 0,39.37 ccw(c39.37,39.37) 39.37,0 2086.61,0 ccw(c2086.61,39.37) 2125.98,39.37 2125.98,2716.54 ccw(c2086.61,2716.54) 2086.61,2755.91 39.37,2755.91 ccw(c39.37,2716.54) 0,2716.54

## Silkscreen, mask and mechanical layers (free items; w line width, h text height)
Top Overlay:
  region: 879 vertices and 4 holes, not listed, extent 1810.25,1309.69 1847.63,1424.91
  text "I2C1" at 1644.09,2736.94 h20
  text "HARVESTER" at 912.09,2724.94 h40
  text "SDA" at 1678.09,2673.94 h20
  text "SCL" at 1622.09,2672.94 h20
  text "-" at 28.09,2231.94 h40 r90
  text "MICRO" at 338.09,2169.94 h40
  text "EM" at 635.09,2167.94 h40
  text "3V3" at 33.09,2154.94 h40 r90
  text "SENSOR" at 512.09,2135.94 h30
  text "EM" at 447.09,2131.94 h40
  text "LDO" at 224.09,2131.36 h40
  text "+" at 11.09,2087.94 h40
  text "+" at 1949.09,2061.94 h40
  text "+" at 98.09,2057.94 h40
  text "+" at 178.09,1076.94 h40
  text "+" at 1953.09,1074.94 h40
  text "SCK" at 1984.09,612.36 h40
  text "QSPI1" at 2097.06,564.94 h40 r270
  text "MOSI" at 1969.09,558.36 h40
  text "MISO" at 1972.09,505.36 h40
  text "UART0" at 29.68,490.94 h40 r90
  text "SS0" at 1995.09,453.36 h40
  text "GND" at 75.09,449.36 h40
  text "RISC_V" at 1574.09,383.04 h40
  text "ARM SWD" at 1214.09,376.36 h40
  text "GND" at 2026.09,354.94 h40
Bottom Overlay:
  drawing of 43 lines, arcs and shapes, not listed
  text "+" at 1657.09,2594.94 h60
  text "-" at 1664.09,2300.94 h60
  text "Populate one of R4 or R1 to pull up I2C1 to the appropriate voltage level" at 2089.09,1858.45 h40
  text "3.3V" at 1354.09,1731.61 h60
  text "1.8V" at 1349.09,1596.57 h60
  text "FRAM RESET" at 1409.09,351.36 h40
  text "MICRO RESET" at 1804.09,351.36 h40
Mechanical 1:
  lines w1: 148.05,380.59 149.29,380.59 149.17,380.72 ; 149.17,380.72 cw(c148.45,368.92) 149.17,357.12 124.58,357.12 cw(c125.3,368.92) 124.58,380.72 149.17,380.72 ; 0,39.37 ccw(c39.37,39.37) 39.37,0 2086.61,0 ccw(c2086.61,39.37) 2125.98,39.37 2125.98,2716.54 ccw(c2086.61,2716.54) 2086.61,2755.91 39.37,2755.91 ccw(c39.37,2716.54) 0,2716.54 0,39.37 ; 124.48,21.12 cw(c125.2,32.92) 124.48,44.72 149.07,44.72 cw(c148.35,32.92) 149.07,21.12 124.48,21.12 ; 310.78,21.02 cw(c311.5,32.82) 310.78,44.62 335.37,44.62 cw(c334.65,32.82) 335.37,21.02 310.78,21.02 ; 310.78,357.22 cw(c311.5,369.02) 310.78,380.82 335.37,380.82 cw(c334.65,369.02) 335.37,357.22 310.78,357.22
Mechanical 12:
  lines w3.94: -0.91,393.7 2126.09,393.94 ; 1.09,2365.94 2125.09,2365.94 ; 44.09,1350.94 2125.09,1349.94

## Text inside footprints (layer, text, board x,y; h text height)
J8: Top 3D Body "PCB Edge" at -36.38,267.87 h24 r270
U35: Top Overlay "*" at 1904.88,2359.29 h30 r90; Mechanical 13 "*" at 1904.88,2411.97 h50 r90